# KiCad board Beacon_Multiboard_Stencil.kicad_pcb (continued)
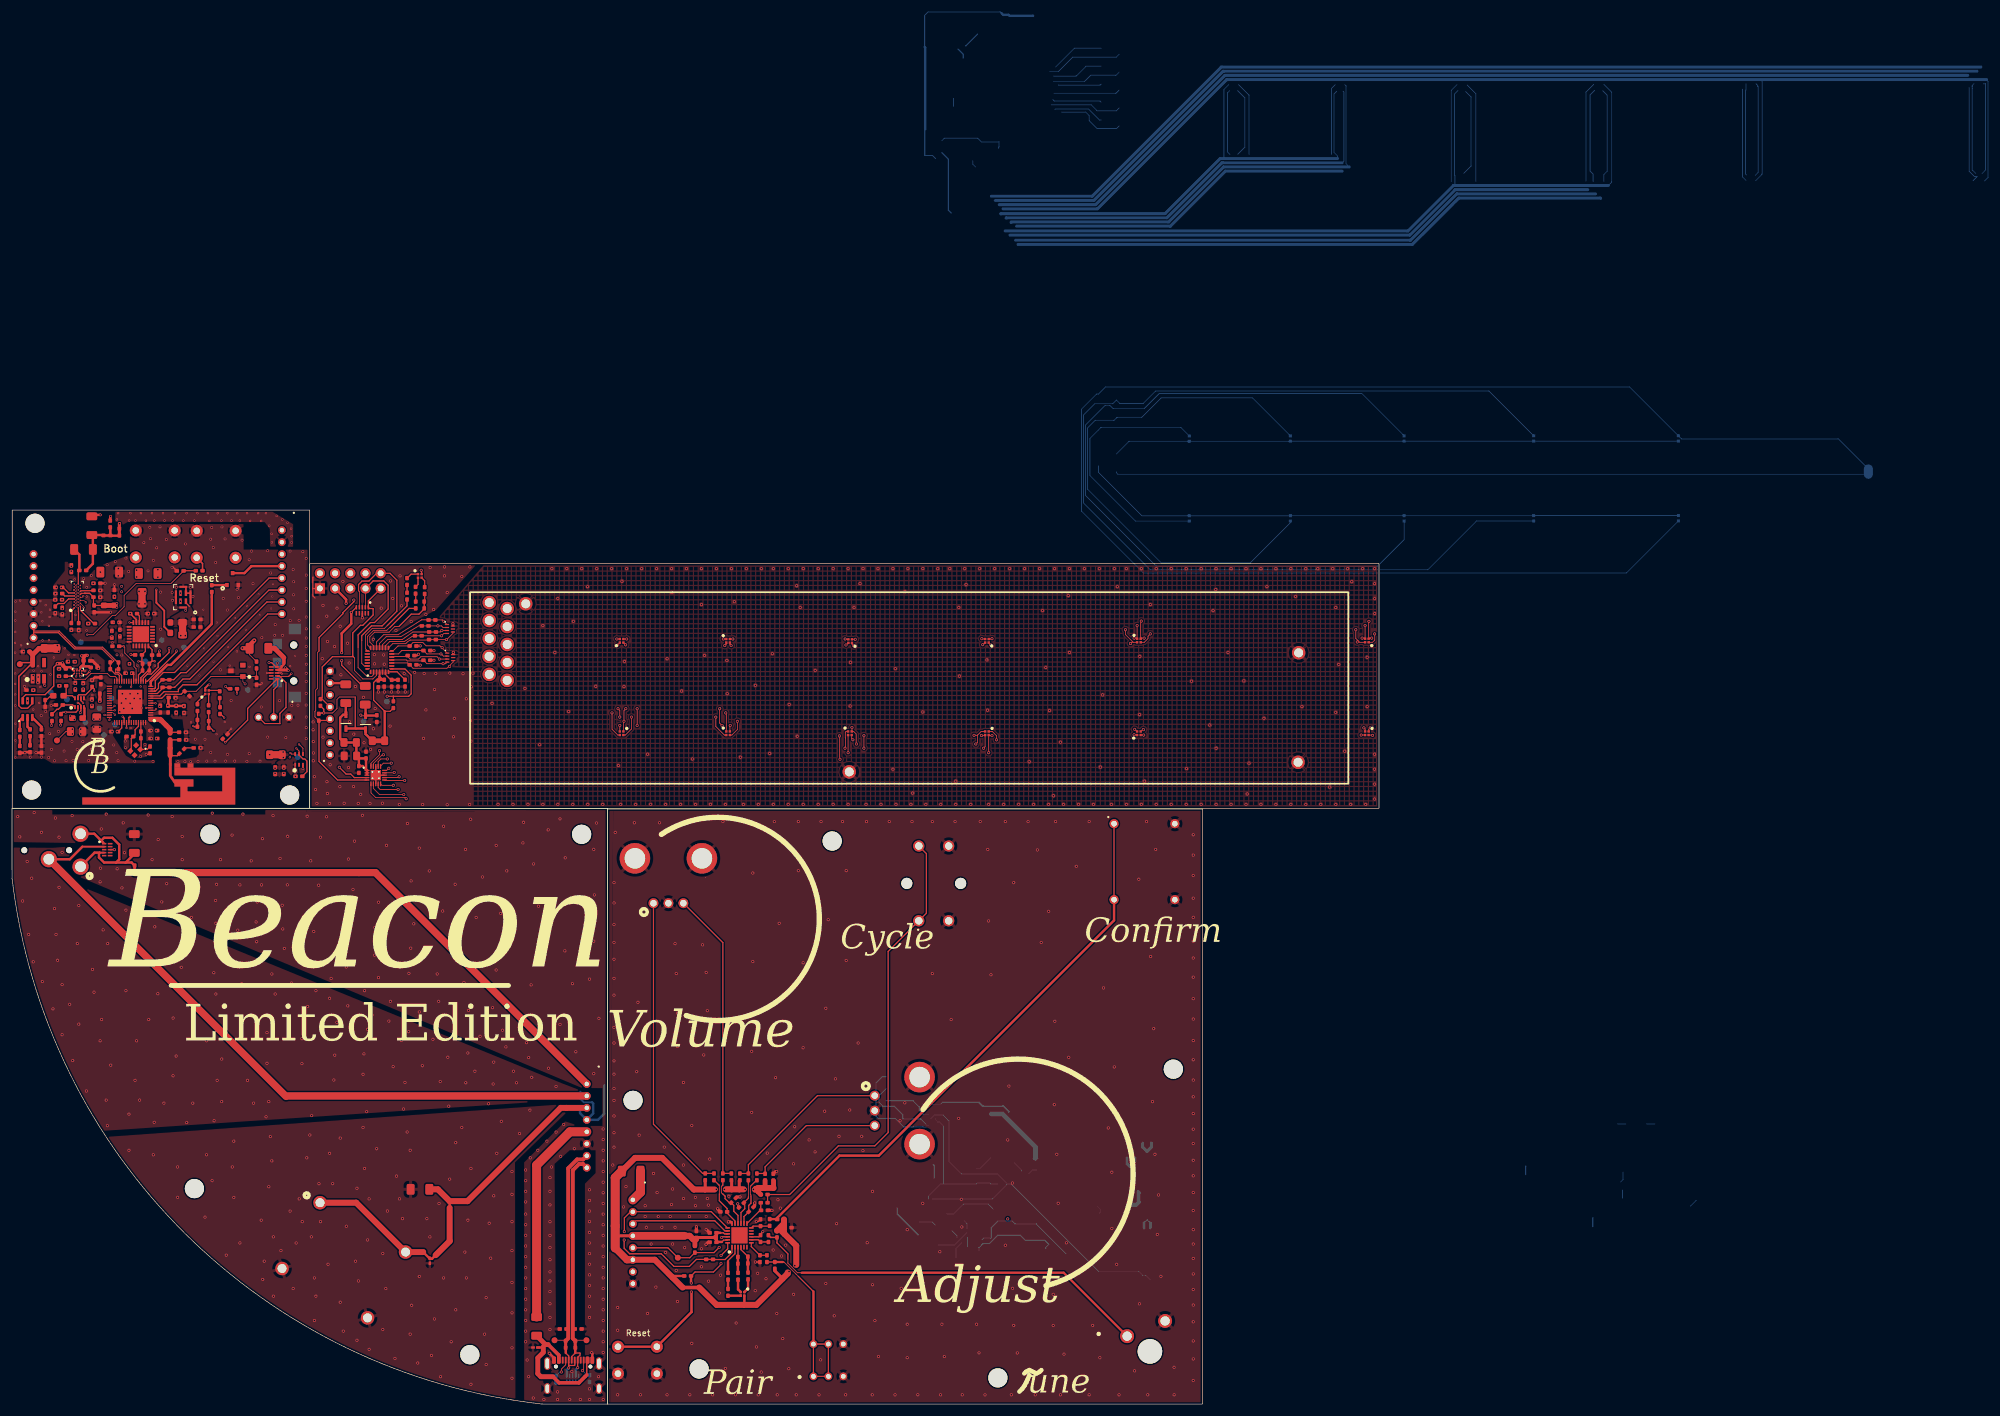
[diagram p0: board, top side]
## Routing (per net, layer and track width the routed paths; a pad name or vN(x,y) marks a point on that pad's centre or on a via; arc(x,y) is an arc through that point) (continued)
v4(32.74,148.89) v4(32.99,147.59) v4(34.39,148.89) v4(34.99,147.64) v4(35.99,148.89) v4(36.69,147.64) v4(37.64,148.89) v4(38.09,147.64) v4(39.29,148.89) v4(39.79,147.59) v4(41.14,148.89) v4(41.64,147.59) v4(42.44,148.89) v4(42.99,146.79) v4(43.39,145.44) v4(43.44,143.99) v4(44.24,148.44) v4(45.19,147.84) v4(46.04,147.29) v4(46.64,146.29) v4(46.74,145.04) v4(46.74,143.99) v5(10.36,136.06) v5(10.73,135.31) v5(10.75,133.29) v5(29.31,123.4) v5(31.34,121.78) v5(31.98,132.75) v5(32.11,126.3) v5(32.16,137.7) v5(33.68,124.06) v5(34.24,130.62) v5(34.34,128.38) v5(36.12,126.5) v5(37.31,131.38) v5(39.09,129.4) v5(39.31,133.34) v5(41.22,135.34) v5(41.4,131.86) v5(43.31,132.95) v5(43.51,134.96) v5(43.61,137.02) v5(47.35,125.05)
/Audio_Board/AUDIO_GND_SEN: length 116.5
  Top w0.25: 45.9,51.49 45.81,51.4
  Top w0.3: 11.77,93.15 D504.2
  Top w0.4: 11.77,93.15 9.68,91.06 J509.2
  Top w1.2: J509.2 45.81,51.4 ; J105.2 45.9,51.49
/Audio_Board/AUDIO_HP: length 117.2
  Top w0.3: D504.4 14.65,92.15
  Top w0.4: C509.1 20.44,91.94 18.99,90.5 ; 15.24,93.8 15.24,93.82 14.91,94.16 ; J509.3 13.75,95.31 14.91,94.16 ; 17.39,90.5 18.99,90.5 ; 17.39,90.5 17.93,91.03 17.93,93.49 16.78,94.64 15.39,94.64 14.91,94.16 ; 17.39,90.5 15.4,90.5 14.54,91.35 14.54,92.04 14.65,92.15 13.8,92.15 J509.1 ; 18.99,90.5 19.99,90.5 J503.2 J503.1
  Top w1: 20.54,88.82 J503.1
  Top w1.2: J105.1 60.73,88.82 20.54,88.82
/Audio_Board/AUDIO_SP: length 67
  Top w0.4: 68.72,25.4 69.83,24.28 70.21,24.28 70.81,24.89 ; J505.1 J505.2
  Top w1: C514.1 71.17,35.89 J505.2 76.12,33.9 91.71,49.49 J105.3 ; 70.81,24.89 73.15,27.22 J505.1 ; J513.1 57.52,33.65 J513.1 68.72,25.4
/Audio_Board/USB_DN: length 43
  Top w0.13: J508.2 92.41,10.66 TP507.1 ; J510.B7 93.04,6.94 93.04,6.94 ; 94.05,7.32 J510.A7
  Top w0.2: 93.04,6.5 93.09,6.45 94,6.45 94.05,6.5 94.05,7.32 ; 93.04,6.5 v1(93.04,6.04) ; 93.04,6.5 93.04,6.94 ; J510.B7 93.04,8.05 92.55,8.53 ; 92.55,9.39 J508.1
  Top w0.4: 92.55,8.53 92.55,9.39
  Top w0.5: J508.1 J508.2
  Top w0.645: J508.2 92.95,10.97 92.95,39.4 94.44,40.88 95.44,40.88 J105.7
  Bottom w0.4: v1(93.04,6.04) 92.71,5.72 D505.1
/Audio_Board/USB_DP: length 42.4
  Top w0.13: TP508.1 94.27,10.66 J511.2 ; J510.B6 94.54,7.74
  Top w0.2: 94.13,9.38 J511.1 ; v1(94.54,6.07) J510.B6 94.54,7.79 94.94,8.19 94.94,8.48 94.89,8.53 94.13,8.53 93.54,7.94 J510.A6
  Top w0.4: 94.13,8.53 94.13,9.38
  Top w0.5: 94.13,9.38 94.13,10.52 J511.2
  Top w0.645: J511.2 93.73,10.97 93.73,39.08 94.76,40.11 95.44,40.11 J105.8
  Bottom w0.4: v1(94.54,6.07) 94.21,5.74 D505.4
/Fret_Assembly/BLED: length 12.8
  Top w0.13: 62.72,130.1 62.27,129.64 60.21,129.64 59.06,128.5 59.06,126.23 U402.22
  Top w0.2: R408.1 66.02,133.4 62.72,130.1
/Fret_Assembly/GLED: length 12.1
  Top w0.127: U402.21 59.39,126.89 59.39,128.27 60.43,129.31 62.64,129.31 63.1,129.77
  Top w0.2: R406.1 66.36,132.98 63.15,129.77
/Fret_Assembly/I2C1_SCLK: length 51.7
  Top w0.13: 57.06,124.89 57.24,124.71 57.24,122.58 58.63,121.18 60.32,121.18 60.93,121.79 U402.3
  Top w0.2: v1(54.7,106.43) 55.84,105.28 56.63,105.28 57.22,104.69 U401.4 ; J102.5 51.83,117.81 R401.1 51.85,118.12 51.85,123.19 53.55,124.89 57.06,124.89 56.96,124.99 56.96,128.88 58.23,130.15 58.63,130.15 60.36,131.88 60.36,132.89 60.3,132.95 59.76,132.95 D415.1 59.56,134.22 61.63,136.3
  Bottom w0.2: 156.95,199.07 156.5,199.53 156.5,208.05 155.41,209.14
/Fret_Assembly/I2C1_SDA: length 71.6
  Top w0.13: U402.2 60.43,121.89 60.13,121.59 59.34,121.59 57.85,123.09 57.85,126.49 ; 51.32,125.86 51.04,125.58 51.04,119.58 50.76,119.3 50.76,115.88 50.64,115.76 50.64,114.85 R402.1 ; 59.09,136.3 59.09,133.19 D415.2
  Top w0.2: U401.5 54.42,104.29 51.32,107.39 51.32,114.01 51.55,114.24 52.9,114.24 J102.4 ; v1(57.13,134.37) 57.13,134.09 55.31,132.26 55.31,132.08 51.32,128.09 51.32,125.86 ; 59.09,136.3 60.36,137.57 62.14,137.57 62.87,136.83 62.87,132.89 60.59,130.61 59.9,130.61 57.85,128.55 57.85,126.49
  Bottom w0.2: 161.35,228.94 159.42,227.01 159.39,227.01
/Fret_Assembly/LEDA1: length 152.2
  Top w0.13: D401.3 139.28,127.81 v1(139.23,127.86) ; v1(65.88,101.16) 65.69,101.34 65.69,101.34 60.8,101.34 60,102.14 U401.6 ; v1(163.78,111.71) 163.33,111.71 D404.4 v1(163.23,108.86) ; v1(138.28,111.66) 138.33,111.61 138.33,107.81 v1(138.38,107.76) ; D403.1 163.23,127.21 v1(163.58,126.86) ; D402.2 v1(139.73,108.86)
  Bottom w0.13: 265.84,219.5 266.59,218.75 266.59,206.05 266.04,205.5 266.04,204.35 ; 241.49,220.5 240.54,219.55 240.54,204.3
  Bottom w0.5: 265.49,201.5 265.44,201.55 241.79,201.55 234.04,193.8 168.14,193.8
/Fret_Assembly/LEDA2: length 148.2
  Top w0.13: v1(139.22,109.6) 139.28,109.67 139.28,111.33 139.27,111.34 139.27,112.27 139.4,112.41 D402.1 ; v1(162.23,126.91) 162.28,126.91 D403.4 ; v1(162.38,109.61) 162.63,109.86 D404.3 162.54,111.72 v1(162.02,111.72) ; v1(142.38,111.71) v1(142.38,109.61) ; v1(65.48,101.86) 61.43,101.86 60.4,102.89 U401.7 ; D401.2 v1(140.93,127.81)
  Bottom w0.13: 244.64,204.35 244.64,219 243.19,220.45 ; 264.49,219.55 263.74,218.8 263.74,206.05 264.24,205.55 264.24,204.4 264.28,204.36
  Bottom w0.5: 264.64,202.25 241.48,202.25 233.73,194.5 167.74,194.5
/Fret_Assembly/LEDA3: length 143.2
  Top w0.13: v1(162.08,127.91) 162.13,127.86 D403.3 ; v1(140.68,126.71) 140.38,127.01 D401.1 ; v1(141.13,110.31) 141.08,110.36 141.08,111.99 140.66,112.41 D402.4 140.38,112.46 v1(140.38,113.06) ; v1(64.53,102.71) 61.53,102.71 61.2,103.04 U401.9 ; 161.38,111.81 161.33,111.76 v1(160.78,111.76) ; 161.38,111.81 161.38,110.61 v1(161.08,110.31) ; 161.38,111.81 161.98,112.41 D404.2
  Bottom w0.13: 242.64,205.7 243.84,206.9 243.84,218.45 242.94,219.35 ; 263.04,204.4 263.04,219.25 264.34,220.55
  Bottom w0.5: 166.79,195.35 233.59,195.35 241.19,202.95 263.34,202.95
/Fret_Assembly/LEDA4: length 144.2
  Top w0.13: v1(164.53,111.01) 164.53,111.71 163.83,112.41 D404.1 ; D402.3 140.33,111.21 v1(140.53,111.01) ; D403.2 163.73,127.86 v1(163.78,127.91) ; v1(139.38,126.86) 139.43,126.86 D401.4 ; v1(63.73,103.41) 61.84,103.41 U401.10
  Bottom w0.13: 266.04,220.55 267.34,219.25 267.34,204.2 266.79,203.65 ; 241.14,203.65 241.14,205.35 241.09,205.4 241.09,218.95 241.64,219.5
  Bottom w0.5: 266.79,203.65 240.89,203.65 233.29,196.05 165.99,196.05
/Fret_Assembly/LEDB1: length 94.8
  Top w0.13: D405.3 v1(102.73,127.86) ; D408.4 119.98,113.36 v1(120.03,113.41) ; D406.2 v1(101.58,113.41) ; U401.11 62.34,104.21 v1(65.63,104.21) ; v1(104.48,116.21) v1(104.48,113.41) ; D407.1 v1(118.88,127.86) ; v1(118.28,116.21) 118.23,116.16 118.23,113.84 v1(118.67,113.41)
  Bottom w0.13: 220.54,208.85 220.54,219.9 221.14,220.5 ; 206.74,208.85 206.74,218.75 204.99,220.5
  Bottom w0.5: 222.29,206.05 202.79,206.05 193.59,196.85 167.89,196.85
/Fret_Assembly/LEDB2: length 96.8
  Top w0.13: U401.12 64.56,104.69 v1(64.71,104.83) ; v1(102.58,116.21) 102.28,115.91 v1(102.28,114.11) 102.18,114.01 D406.1 ; D408.3 120.31,111.81 121.23,112.73 v1(121.23,114.11) ; v1(120.48,127.86) D407.4 ; v1(102.56,126.88) D405.2
  Bottom w0.13: 204.84,208.85 206.04,210.05 206.04,218.3 204.81,219.53 ; 222.74,220.5 222.95,220.29 222.95,207.29 223.59,206.65
  Bottom w0.5: 166.96,197.48 167.04,197.55 193.3,197.55 202.5,206.75 223.49,206.75
/Fret_Assembly/LEDB3: length 95.1
  Top w0.13: v1(101.23,126.86) 101.58,127.21 D405.1 ; v1(101.28,116.21) 101.58,115.91 v1(101.58,114.81) ; D408.2 119.05,111.81 117.63,113.23 v1(117.63,114.81) ; D407.3 119.98,126.96 v1(120.18,126.76) ; U401.14 63.81,105.49 v1(63.88,105.56) ; D406.4 102.51,111.81 103.53,112.83 v1(103.53,114.81)
  Bottom w0.13: 203.49,219.5 203.14,219.15 203.14,209.25 203.54,208.85 ; 222.29,207.45 222.59,207.75 222.59,219.25 222.44,219.4
  Bottom w0.5: 222.29,207.45 202.21,207.45 193.01,198.25 166.19,198.25 166.14,198.2
/Fret_Assembly/LEDB4: length 94.1
  Top w0.13: v1(62.98,106.26) 62.61,105.89 U401.15 ; v1(119.28,115.51) 119.38,115.41 D408.1 ; D407.2 119.38,127.01 v1(119.13,126.76) ; v1(100.28,115.51) 100.28,112.78 101.25,111.81 D406.3 ; v1(101.08,127.86) D405.4
  Bottom w0.13: 203.34,220.5 202.54,219.7 202.54,208.15 ; 221.54,208.15 221.54,208.58 220.94,209.18 220.94,218.95 221.39,219.4
  Bottom w0.5: 165.24,198.9 165.29,198.95 192.72,198.95 201.92,208.15 221.54,208.15
/Fret_Assembly/LEDC1: length 215.8
  Top w0.13: v1(190.23,128.71) 189.86,128.33 189.86,127.93 189.23,127.31 D409.3 ; v1(227.38,111.76) 227.33,111.81 D412.4 ; v1(189.13,111.81) D410.2 ; v1(227.73,128.71) 227.75,128.69 227.75,127.67 227.38,127.31 D411.1 ; U401.16 61.6,106.62 62.08,107.11 v1(63.38,107.11)
  Bottom w0.13: 292.49,221.35 292.49,205.55 291.39,204.45 ; 329.64,204.4 330.24,205 330.24,221.05 329.99,221.3 329.99,221.35
  Bottom w0.5: 329.99,221.35 202.99,221.35 181.39,199.75 165.64,199.75
/Fret_Assembly/LEDC2: length 214
  Top w0.13: v1(224.83,127.36) 224.83,127.51 224.93,127.61 ; U401.17 61.2,107.36 61.65,107.81 v1(62.73,107.81) ; 224.93,127.61 225.23,127.31 D411.4 ; 224.93,127.61 224.58,127.96 v1(224.58,129.41) ; 187.38,127.31 186.08,128.61 v1(186.08,129.41) ; 187.38,127.31 187.13,127.31 v1(186.93,127.11) ; 187.38,127.31 D409.2 ; D412.3 v1(225.48,111.81) ; v1(187.53,111.86) 187.58,111.81 D410.1
  Bottom w0.13: 289.19,219.75 289.19,205.1 289.79,204.5 ; 327.09,220 327.09,206.02 327.97,205.14 328.42,205.14 327.74,204.45
  Bottom w0.5: 326.84,222.05 202.7,222.05 181.1,200.45 164.99,200.45
/Fret_Assembly/LEDC3: length 213.2
  Top w0.13: v1(187.63,112.76) 187.68,112.76 D410.4 ; v1(62.08,108.51) 61.88,108.51 60.4,107.02 U401.19 ; v1(225.93,113.01) 226.13,112.81 D412.2 ; v1(225.63,128.01) 226.03,128.01 D411.3 v1(226.13,130.11) ; v1(188.03,130.11) D409.1 187.93,128.01 v1(187.53,128.01)
  Bottom w0.13: 289.89,205.4 289.69,205.6 289.69,219.52 289.79,219.62 289.79,220.65 ; 328.19,205.65 327.59,206.25 327.59,219.77 327.6,219.79 327.6,220.21 327.59,220.23 327.59,220.35 327.89,220.65
  Bottom w0.5: 164.34,201.15 180.81,201.15 202.41,222.75 328.39,222.75
/Fret_Assembly/LEDC4: length 217.2
  Top w0.13: U401.20 60,107.09 61.43,108.52 v1(61.43,109.21) ; v1(226.78,130.81) 226.73,130.76 D411.2 226.83,128.01 v1(227.23,128.01) ; v1(188.73,130.86) 188.63,130.76 D409.4 188.73,128.01 v1(189.2,128.01) ; v1(189.08,112.71) 188.93,112.71 D410.3 ; v1(226.98,113.01) 226.73,112.76 D412.1
  Bottom w0.13: 329.24,205.65 329.84,206.25 329.84,220.65 329.49,220.65 329.49,220.65 ; 291.46,220.65 291.75,220.36 291.75,220.21 291.84,220.12 291.84,205.85 291.34,205.35
  Bottom w0.5: 163.69,201.85 180.52,201.85 202.12,223.45 329.04,223.45
/Fret_Assembly/RLED: length 15.6
  Top w0.13: U402.20 60.42,126.73 59.8,127.35 59.8,128.19 60.61,129.01 63.03,129.01 63.99,129.97 64.68,129.97
  Top w0.2: R403.1 68.97,134.19 J409.2 J409.1 68.89,132.89 68.01,132.01 66.73,132.01 64.68,129.97
/Fret_Assembly/RX0: length 22.7
  Top w0.13: D418.5 73.74,124.02 72.69,122.97 67.03,122.97 C406.2 66.15,123.86 U402.10
  Bottom w0.13: 185.02,213.59 184.6,213.17 181.34,213.17 180.04,214.47 180.04,215.32 179.45,215.91 175.39,215.91
  vias: v1(73.14,123.27)
/Fret_Assembly/RX1: length 18.2
  Top w0.13: U402.11 65.9,124.36 66.06,124.19 68.65,124.19 C410.2 69.34,123.73 v1(72.04,123.73) 72.47,123.73 D418.4
  Bottom w0.13: 182.02,214.59 181.75,214.59 179.91,216.43 174.35,216.43 174.3,216.38
/Fret_Assembly/RX2: length 22
  Top w0.13: D418.3 v1(71.43,124.5) 71.04,124.89 68.31,124.89 67.93,124.51 66.53,124.51 66.13,124.91 C411.2 65.9,125.09 65.72,124.92 63.52,124.92 U402.12
  Bottom w0.13: 185.02,216.59 184.56,216.13 181.35,216.13 180.33,217.15 173.69,217.15
/Fret_Assembly/RX3: length 18.1
  Top w0.13: D418.2 72.1,125 71.74,125.36 v1(71.69,125.36) 69.34,125.36 C412.2 65.14,125.93 64.57,125.36 U402.13
  Bottom w0.13: 181.99,217.59 181.82,217.76 174.19,217.76 173.95,218
/Fret_Assembly/RX4: length 21.7
  Top w0.13: U402.14 63.67,125.86 64.51,126.7 C413.2 67.03,127.27 68.66,127.27 69.21,126.72 71.52,126.72 D418.1
  Bottom w0.13: 174.15,219.06 184.49,219.06 185.02,219.59
  vias: v1(71.89,126.42)
/Fret_Assembly/Touch_Board/RX0: length 1032.9
  Bottom w0.13: C1610.1 244.77,147.58 236.63,139.44 190.21,139.44 179.06,150.59 179.06,165.28 180.96,167.18 183.95,167.18 184.56,167.79 185.15,167.2 189.03,167.2 191.13,169.3 246.83,169.3 C1604.1 ; 184.56,155.79 184.56,155.66 184.84,155.38 C1618.2 ; C1603.2 278.48,160.92 C1604.2 254.3,160.91 C1605.2 C1606.2 213.63,160.89 C1607.2 186.66,160.89 184.56,158.79 ; C1605.1 225.57,168.9 191.76,168.9 189.26,166.4 183.99,166.4 183.54,166.85 182.62,166.85 179.39,163.61 179.39,151.88 191.23,140.04 228.23,140.04 232.66,144.46 C1611.1 ; C1612.1 213.65,147.29 206.95,140.6 192.04,140.6 179.72,152.92 179.72,163.09 181.03,164.4 184.17,164.4 184.67,164.9 188.81,164.9 192.06,168.15 207.3,168.15 C1606.1 ; C1613.1 187.76,147.56 180.14,155.18 180.14,161.37 181.95,163.18 195.36,163.18 C1607.1 ; 181.56,156.79 181.56,155.73 188.83,148.46 C1613.2 213.64,148.46 C1612.2 C1611.2 254.29,148.47 C1610.2 278.49,148.48 C1609.2 ; C1609.1 269.79,138.88 189.08,138.88 178.72,149.24 178.72,166.26 181.26,168.79 181.56,168.79 182.75,169.98 270.34,169.98 C1603.1 279.02,161.3 305.22,161.3 C1618.1
  Bottom w1.5: C1618.2 C1618.1
/Fret_Assembly/TOUCH_INT: length 23
  Top w0.2: R409.2 63.74,118.29 ; 63.74,118.29 66.3,118.29 66.71,118.69 66.71,121.82 65.68,122.85 U402.8 ; 63.74,118.29 v1(62.7,118.29)
  Bottom w0.13: 155.41,211.14 155.81,211.54 161.4,211.54 162.01,210.93 164.95,210.93 164.95,210.1 164.9,210.05 164.9,209.84
/Fret_Assembly/TOUCH_PROGM: length 30
  Top w0.13: 58.46,127.61 58.46,123.79 58.88,123.36 U402.27 ; D415.4 58.06,135.78 57.92,135.92
  Top w0.2: 58.46,127.61 58.46,128.42 60.08,130.05 61.86,130.05 64.32,132.51 64.32,137.69 63.18,138.84 60.94,138.84 59.65,137.54 58.5,137.54 57.92,136.96 57.92,135.92
/Fret_Assembly/TX0: length 23.2
  Top w0.13: U402.19 60.92,127.38 62.11,128.57 64.54,128.57 64.57,128.61 68.46,131.07 69.59,131.07 J402.1 J402.2 71.94,131.04 D416.1
  Bottom w0.13: 174.43,223.45 177.56,226.59 182.02,226.59
  vias: v1(72.17,130.81)
/Fret_Assembly/TX1: length 25.9
  Top w0.13: 64.98,128.25 68.07,130.11 68.42,130.11 J403.1 J403.2 v1(71.18,130.05) 71.77,130.05 72.03,129.78 D416.2 ; U402.18 61.42,127.12 62.54,128.24 64.98,128.24
  Bottom w0.13: 173.44,222.69 174.87,222.69 177.27,225.09 184.52,225.09 185.02,225.59
/Fret_Assembly/TX2: length 20.7
  Top w0.13: U402.17 61.92,126.91 62.8,127.79 65.24,127.79 67.01,129.03 J405.1 J405.2 70.86,129.03 71.59,129.03 71.84,129.28 v1(71.84,129.28) D416.3
  Bottom w0.13: 182.02,223.59 179.5,223.59 177.83,221.93 174.1,221.93
/Fret_Assembly/TX3: length 23
  Top w0.13: U402.16 62.42,126.73 63.12,127.43 65.57,127.43 66.86,128.28 67.22,128.28 J406.1 J406.2 v1(71.79,128.4) 72.18,128.78 D416.4
  Bottom w0.13: 185.02,222.59 184.5,222.07 180.27,222.07 179.24,221.04 174.05,221.04
/Fret_Assembly/TX4: length 19.2
  Top w0.13: U402.15 63.64,127.08 65.8,127.08 66.12,127.4 66.56,127.69 69.62,127.69 J407.1 J407.2 v1(72.63,127.76) 72.65,127.76 73.7,128.8 D416.5
  Bottom w0.13: 182.02,220.59 181.85,220.42 174.9,220.42 174.89,220.41
/Main_Board/AMB_INT: length 33.4
  Top w0.13: U1101.5 47.98,109.13 v3(47.52,109.58) ; v3(24,117.1) 23.96,117.15 U701.7
  Top w0.2: R1101.1 49.29,105.68 49.29,107.46 48.95,107.81 48.63,107.81 47.98,108.46 U1101.5
  In2.Cu w0.13: 189.97,22.25 177.83,22.25 171.36,28.72 168.36,28.72 167.32,29.76 166.45,29.76
/Main_Board/AUDIO_GND_SEN: length 13.1
  Bottom w0.09: 153.19,46.47 153.08,46.58 152.92,46.58 152.66,46.83
  Bottom w0.2: 146.06,52.71 144.92,51.56 144.92,50.39 145.55,49.75 147.48,49.75 148.85,48.38 148.85,47.72 148.93,47.65 151.85,47.65 152.66,46.83
  vias: v5(10.74,133.81)
/Main_Board/AUDIO_HP: length 16.8
  Bottom w0.09: 152.81,46.22 152.39,46.22 152.28,46.33
  Bottom w0.2: 146.06,54.71 145.42,54.71 144.41,53.69 144.41,48.1 144.79,47.72 147.58,47.72 148.98,46.33 152.28,46.33
  vias: v5(10.36,133.56)
/Main_Board/AUDIO_PU: length 43.1
  Top w0.25: J605.2 16.49,145.11 ; 15.23,145.24 J605.1
  Top w0.4: C610.1 13.52,145.07 C607.2 13.52,140.44 C608.2 ; C610.1 15.23,145.24 ; C610.1 13.42,145.16 ; 16.44,146.5 J605.2 J605.1 ; 16.49,145.11 17.95,145.11
  Top w0.5: v2(17.98,147.14) 17.95,147.1 J604.2 J604.1
  In2.Cu w0.3: 185.31,60.95 161.61,60.95
  In2.Cu w0.4: 161.61,60.95 160.46,59.8 160.43,59.8 ; 187.56,58.7 185.31,60.95
/Main_Board/AUDIO_SP: length 8.5
  Bottom w0.09: 152.28,48.46 152.38,48.36 153.08,48.36 153.19,48.47
  Bottom w0.2: 152.28,48.46 151.65,49.09 151.65,49.63 150.57,50.71 146.06,50.71
  vias: v5(10.74,135.81)
/Main_Board/BAT_MEASURE: length 23.6
  Top w0.09: v2(38.96,120.35) 38.59,120.73 D503.1
  Top w0.13: R509.1 40.87,121.37 R510.2 40.65,121.59 D503.1 33.24,121.59 30.77,119.12 C508.2
  Top w0.2: 28.81,119.16 28.28,118.63 25.7,118.63 25.03,117.95 U701.9
  Bottom w0.09: 181.41,33.02 181.86,32.57 181.86,32 181.72,31.86
/Main_Board/BAT_NINT: length 10.7
  Top w0.13: U701.27 17.54,121.31 17.27,121.57 16.46,121.57 15.95,122.08 13.21,122.08 12.26,121.13 10.45,121.13 9.95,121.64
  Top w0.2: R507.1 9.95,121.64 PS502.A1
/Main_Board/I2C0_SCLK: length 67.3
  Top w0.09: U601.D8 11.71,134.81 v3(11.91,135.01) ; PS502.B1 10.84,121.72 v3(10.72,121.6)
  Top w0.13: v3(47.98,110.24) 48.63,109.6 U1101.4
  Top w0.2: 21.82,123.76 21.79,123.76 21.72,123.83 21.72,124.11 ; 21.72,124.11 v3(21.13,124.11) ; 21.72,124.11 R701.1 22.29,125.78 U1001.23 ; U701.18 21.14,121.85 21.82,122.53
  Top w0.25: J703.2 J703.1
  In2.Cu w0.13: 190.43,22.91 190.41,22.93 179.38,22.93 167.29,35.02 165.34,35.02 163.58,36.77
  Bottom w0.09: 154.36,47.67 154.36,47.5 154.75,47.11 154.82,47.11
  Bottom w0.11: 154.82,47.11 155.02,47.11
  Bottom w0.13: 155.68,36.77 155.68,46.45 155.02,47.11 ; 155.68,36.77 155.2,36.77 153.17,34.74 153.17,34.26 ; 155.68,36.77 161.15,36.77 161.35,36.97 163.39,36.97 163.58,36.77 164.75,36.77
/Main_Board/I2C0_SDA: length 9
  Top w0.09: PS502.C1 11.24,121.79 v3(11.43,121.6)
  Top w0.13: v3(46.53,108.8) 46.7,108.63 U1101.6
  Top w0.2: v3(23.88,124.11) 23.81,124.18 23.41,124.18 ; 22.96,122.53 22.69,122.53 21.54,121.38 U701.17 ; 23.41,124.18 22.99,123.76 22.96,123.76 ; 23.41,124.18 R702.1 23.41,126.08 U1001.24
  Top w0.25: J704.2 J704.1
  vias: v5(11.11,135.06)
/Main_Board/I2C1_BCLK: length 19.4
  Top w0.2: U701.15 22.62,120.8 27.51,125.68 v2(27.51,125.87)
  In2.Cu w0.2: 170.62,48.19 171.36,47.45 171.36,46.33 169.96,44.93 169.96,38.53
  Bottom w0.13: 171.2,39.11 170.54,39.11 169.96,38.53
  vias: v2(28.17,135.52)
/Main_Board/I2C1_MISO: length 18.3
  Top w0.2: v2(26.26,126.27) 26.26,125.61 24.43,123.78 24.43,123.16 23.27,122 22.65,122 22.63,122.01 21.94,121.31 U701.16
  In2.Cu w0.2: 170.62,46.84 170.6,46.84 168.71,44.95 168.71,38.93
  Bottom w0.13: 167.5,40.33 168.71,39.11 168.71,38.93
  vias: v2(28.17,134.17)
/Main_Board/I2C1_SCLK: length 29.3
  Top w0.2: J101.6 42.94,136.04 29.13,122.23 28.22,122.23 27.04,121.06 26.36,121.06 ; 25.13,121.04 24.49,120.4 24.49,119.64 24,119.16 23.83,119.16 23.81,119.15 U701.12
  Top w0.25: J705.2 J705.1
/Main_Board/I2C1_SDA: length 28.3
  Top w0.2: U701.11 24.3,118.75 25.14,119.58 25.14,119.77 ; 26.37,119.78 27.19,119.78 28.57,121.17 29.72,121.17 42.59,134.04 J101.7
  Top w0.25: J706.1 J706.2
/Main_Board/I2S0_BCLK: length 25.4
  Top w0.09: U701.42 16.29,114.34 v3(16.28,114.33) ; v3(11.96,133.08) 11.96,133.29 11.44,133.81 U601.D4
  In2.Cu w0.09: 158.73,27 158.12,27 157.31,27.81 157.31,29.18 157.62,29.49 157.62,35.71 155.89,37.44 155.89,44.27 154.41,45.74
  Bottom w0.13: 157.84,24.48 157.79,24.53 157.79,26.06 158.73,27
/Main_Board/I2S0_MCLK: length 24.9
  Top w0.09: U701.38 16.81,116.35 v3(17.14,116.68)
  In2.Cu w0.09: 153.54,48.22 155.26,48.22 158.22,45.26 158.22,38.86 159.67,37.41 159.67,29.42 159.6,29.34
  Bottom w0.13: 159.6,29.34 159.6,30.15 159.11,30.63
  vias: v5(11.12,135.56)
/Main_Board/I2S0_MISO: length 28.6
  Top w0.09: v3(17.17,115.95) 17.17,115.95 U701.39
  In2.Cu w0.09: 159.62,28.61 159.14,29.09 159.14,37.04 157.64,38.54 157.64,44.61 155.03,47.22 153.54,47.22
  Bottom w0.09: 154.72,26.56 157.51,26.56 159.56,28.61 159.62,28.61
  vias: v5(11.12,134.56)
/Main_Board/I2S0_MOSI: length 23.5
  Top w0.09: U701.41 15.49,115.15 v3(15.47,115.17)
  In2.Cu w0.09: 153.54,46.72 154.07,46.72 156.42,44.37 156.42,37.79 158.15,36.06 158.15,29.1 157.92,28.88 157.92,27.83
  Bottom w0.13: 157.08,28.95 157.92,28.11 157.92,27.83
  vias: v5(11.12,134.06)
/Main_Board/I2S0_WCLK: length 3.7
  Top w0.09: v3(12.35,133.97) 12.02,134.31 U601.D6 ; v3(17.2,115.21) 16.86,115.55 U701.40
  Bottom w0.13: 159.67,26.26 159.67,27.85 159.65,27.87
/Main_Board/IMU_INT: length 15.7
  Top w0.13: U701.19 20.74,122.91 20.4,123.25 20.4,123.96 18.85,125.51 18.85,126.46 v3(18.67,126.64)
  Top w0.2: v3(19.63,130.63) 19.66,130.6 U1001.12 ; v3(18.67,126.64) R1001.2
  In2.Cu w0.2: 162.09,43.29 162.09,41.16 161.12,40.19 161.12,39.3
  Bottom w0.09: 161.12,39.3 161.74,39.3 163.58,41.14
/Main_Board/MCU/uC_XTAL_N: length 5.1
  Top w0.2: U701.53 21.14,113.27 20.57,112.71 20.57,111.86 C711.2 19.94,111.22 19.94,109.27
/Main_Board/MCU/uC_XTAL_P: length 6.5
  Top w0.2: 21.44,109.37 21.54,109.47 ; C710.2 22.57,109.39 21.46,109.39 21.59,109.52 21.59,111.22 J702.2 J702.1 ; U701.54 21.54,112.43
/Main_Board/Regulators/BAT_P: length 44.4
  Top w0.13: R509.2 39.71,125.23 F501.2 39.71,126.85 ; 12.27,125.13 12.15,125.01 12.13,125.04 ; 38.55,126.31 v2(38.51,126.35)
  Top w0.2: PS502.C2 11.24,122.63 11.43,122.82 11.43,123.11
  Top w0.4: 11.97,124.18 11.97,123.65 11.43,123.11 11.6,123.27 12.89,123.27 13.17,122.99
  Top w0.5: 12.13,125.04 v2(11.65,125.04) ; 12.27,125.13 v3(12.6,125.13)
  Top w0.6: 12.15,125.01 11.97,124.83 C506.2
  Top w0.7: 39.71,126.85 v2(40.49,127.62) ; F501.2 38.55,126.31
  In2.Cu w0.6: 182.94,40.28 182.23,40.28 181.8,39.85 ; 180.96,39.01 181.8,39.85 ; 181.8,39.85 174.02,47.62 174.02,49.32 173.11,50.24 168.69,50.24 168.03,49.58 161.53,49.58 160.84,48.89 160.76,48.97 160.76,49.32 160.79,49.3 160.79,48.41
  Bottom w0.25: 153.96,40 154.1,39.86 154.1,37.7
  vias: v2(18.31,136.66) v2(18.34,135.75)
/Main_Board/Regulators/BAT_TS: length 9.7
  Top w0.13: D507.5 44.32,123.83 v2(44.34,123.85)
  Top w0.2: v3(12.98,122.44) 12.45,121.9 11.87,121.9 PS502.D1 ; v2(42.95,123.91) 43.41,123.91 44.13,123.19 D507.5
  In3.Cu w0.2: 155.43,35.1 158.2,37.87 160,37.87
  vias: v2(17.55,125.21)
/Main_Board/Regulators/MODE: length 3.9
  Top w0.2: R502.1 9.06,118.8 R504.2 10.1,118.37 PS501.8
/Main_Board/Regulators/SYS_PWR: length 14
  Top w0.2: R506.2 36.09,119.54 v2(35.71,119.92) ; v3(11.89,117.19) 11.52,117.56 PS501.6 ; PS502.B2 10.84,122.81 v3(10.79,122.85)
  In3.Cu w0.13: 154.34,29.85 154.34,29.51 155.3,28.55 157.03,28.55 160.56,32.08 160.56,32.53
  Bottom w0.13: 154.34,29.85 153.77,30.42 151.65,30.42
  vias: v2(7.92,120.03) v2(10.54,124.05) v2(10.58,119.55) v2(11.9,119.5) v3(18.11,119.87)
/Main_Board/Regulators/VSET: length 4.6
  Top w0.2: PS501.1 10.15,116.84 R503.2 7.77,116.12 7.53,116.12 R501.1
/Main_Board/STAT_B: length 18.9
  Top w0.2: U701.48 19.14,113.89 v3(19.14,112.98) ; v3(30.29,113.33) 30.43,113.2 J802.2 ; 30.99,114.36 31,114.36 R805.1
  Top w0.25: J802.1 J802.2
  Bottom w0.2: 172.75,26 172.75,26.12 173.3,26.67 172.6,27.37 169.35,27.37 168.52,28.2 164.7,28.2 163.32,26.82 162.27,26.82 161.6,26.15 161.6,25.65
/Main_Board/STAT_G: length 4.7
  Top w0.2: 32.88,114.16 32.87,114.16 R803.1 ; U701.49 19.54,114.7 v3(19.69,114.86) ; v3(33.69,112.48) 33.18,113 J801.2
  Top w0.25: J801.1 J801.2
/Main_Board/STAT_R: length 2
  Top w0.2: v3(18.49,114.88) 18.74,114.64 U701.47 ; R802.1 34.85,115.32 v3(35.47,114.71)
/Main_Board/TACT_NINT: length 27.8
  Top w0.2: J101.8 42.75,132.04 30.91,120.2 28.57,120.2 27.81,119.44 27.81,119.06 25.43,119.06 24.72,118.35 U701.10
/Main_Board/TACT_VIBRT: length 20.3
  Top w0.09: U701.14 23.19,120.02
  Top w0.4: 23.19,120.56 23.19,120.76 25.96,123.53 26.54,123.53 33.39,130.38 33.39,134.87 ; 23.19,120.51 23.19,120.02 ; R1301.1 33.39,134.9
/Main_Board/TACT_VIBRT_EXT: length 8.7
  Top w0.4: Q1301.D 38.85,138.87 40.02,140.04 J101.4
/Main_Board/TOUCH_INT: length 30.3
  Top w0.2: U701.13 23.81,119.55 23.95,119.69 23.95,120.91 25.3,122.26 27.18,122.26 42.96,138.04 J101.5
/Main_Board/uC_BOOT: length 0.8
  Top w0.13: v3(22.39,116.35) U701.5
/Main_Board/uC_EN: length 39.5
  Top w0.13: U701.4 23.89,115.95 v3(24.08,116.14)
  Top w0.25: R804.1 31.85,140.47 SW802.1
  In3.Cu w0.13: 179.78,55.02 173.28,55.02 173.28,38.9 166.02,31.64 166.02,29.31 166.53,28.8
/Main_Board/uC_LNA: length 6.3
  Top w0.2: L801.2 26.56,112.27 C803.2
  Top w0.25: 24.77,114.43 24.45,114.43
  Top w0.84: 24.77,114.43 J804.2 J804.1 26.43,112.77 L801.2 ; 24.45,114.43 23.19,114.43 ; 24.84,114.36 24.94,114.26
/Main_Board/USB_DN: length 21.5
  Top w0.09: 17.69,123.94 J1609.1
  Top w0.178: U701.25 18.34,121.75 17.82,122.27 17.35,122.27 17.32,122.3 17.32,122.79 17.34,122.81 J1609.2 J1609.1 ; 17.69,123.94 15.14,126.49 10.57,126.49 7.88,129.18 3.66,129.18
  Top w0.2: J106.2 3.61,129.23 3.65,129.19 3.66,129.19
